# Altium PCB PCB.PcbDoc (part 6 of 10)
Units mm, origin at the board's own origin, x right, y up, seen from the top; angles counter-clockwise.
Board outline 25 x 25 mm, 10 copper layers (Top Layer, bu3, bu2, bu1, Core1, Core1b, bu1b, bu2b, bu3b, Bottom Layer), stack 1.2 mm thick; 43 components, 310 nets, 1945 pads, 12307 vias.
Unrouted connection lines stored in the file: 68.
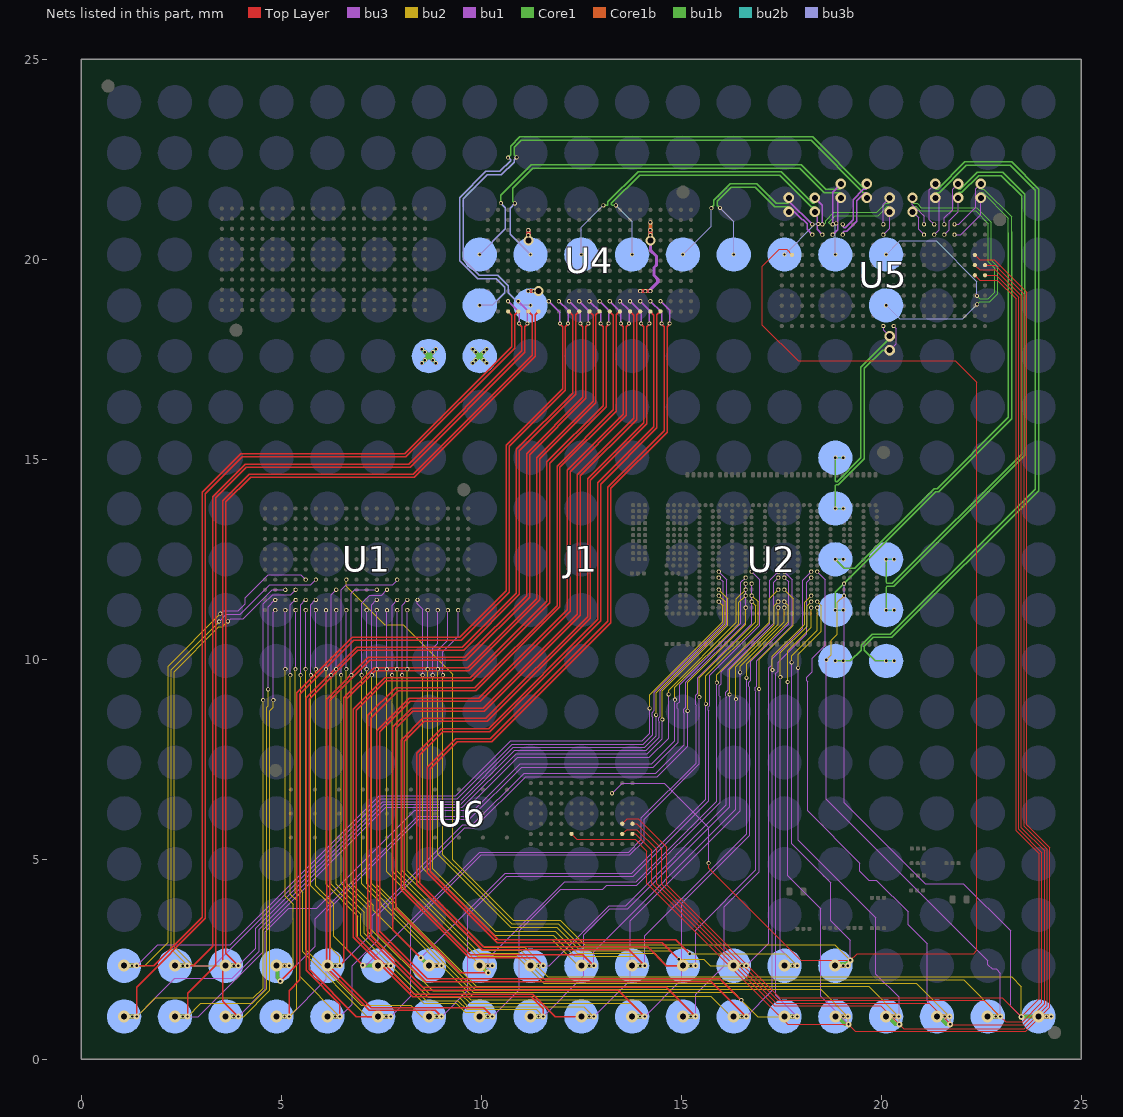
[diagram p14: the nets of this part, all layers, seen from the top]

## Via types
v1: diameter 0.1, hole 0.06, Top Layer to bu3, 2216 vias
v2: diameter 0.1, hole 0.06, bu3 to bu2, 1881 vias
v3: diameter 0.1, hole 0.06, bu3b to Bottom Layer, 1302 vias
v4: diameter 0.1, hole 0.06, bu2b to bu3b, 1272 vias
v5: diameter 0.1, hole 0.06, bu2 to bu1, 1248 vias
v6: diameter 0.15/0.1 (per signal layer), hole 0.06, Core1b to bu1b, 1224 vias
v7: diameter 0.1/0.15 (per signal layer), hole 0.06, bu1 to Core1, 1096 vias
v8: diameter 0.1, hole 0.06, bu1b to bu2b, 1021 vias
v9: diameter 0.25, hole 0.15, Core1 to Core1b, 537 vias
v10: diameter 0.3, hole 0.15, Core1 to Core1b, 253 vias
v11: diameter 0.1/0.1 (per signal layer), hole 0.06, bu1b to bu2b, 114 vias
v12: diameter 0.26, hole 0.15, Core1 to Core1b, 81 vias
v13: diameter 0.1, hole 0.06, bu1 to Core1, 52 vias
v14: diameter 0.105, hole 0.06, Top Layer to bu3, 6 vias
v15: diameter 0.1, hole 0.06, Core1b to bu1b, 4 vias

## Nets (pads, with @x,y where several pads share a name; then routed paths per layer and width w, separated by ;. In a path a pad name is that pad's centre, name@x,y a point inside that pad or via, vN(x,y) a via of type N, cw(c..) or ccw(c..) an arc to the next point about the centre after c; other vN are vias at no path point) (continued)
sig_V5: J1.V5 U1.I8 U2.46 U5.B4 U6.B3 | length 64.9
  Top Layer w0.03: v1@15.684,4.902 15.684,4.774 17.986,2.472 19.226,2.472 19.395,2.641 22.305,2.641 22.388,2.724 22.388,16.925 21.853,17.46 17.917,17.46 17.027,18.35 17.027,19.821 17.452,20.246 17.63,20.246 U5.B4@17.766,20.11
  bu3 w0.03: v1(13.268,6.651) 13.52,6.901 14.569,6.901 15.684,5.786 v1@15.684,4.902
  Core1 w0.1: v10@18.85,2.34 18.888,2.378 19.119,2.378 19.212,2.472 v7@19.226,2.472
  Core1b w0.1: v10@18.85,2.34 v6@19.164,2.34
  bu3b w0.1: v3@18.85,2.34 v4@19.05,2.34
  bu2 w0.03: v1(6.626,11.992) 6.628,11.827 7.592,10.863 8.05,10.863 9.286,9.627 9.286,4.99 10.8,3.476 11.974,3.476 12.589,2.861 18.837,2.861 v2@19.226,2.472 ; v5@17.759,9.922 17.759,10.085 18.397,10.723 v2@18.397,11.294
  bu2b w0.1: v8@18.85,2.34 v4@19.05,2.34
  bu1 w0.03: v5@17.759,9.922 17.759,5.394 18.739,4.414 18.739,3.463 19.226,2.976 v7@19.226,2.472
  bu1b w0.1: v8@18.85,2.34 v6@19.164,2.34
  other v1: 19.224,2.472 15.682,4.902 18.395,11.294
  other v2: 19.224,2.472 18.395,11.294 6.626,11.992
  other v3: 18.848,2.34
  other v4: 19.048,2.34
  other v5: 19.224,2.472 17.757,9.922
  other v6: 19.162,2.341
  other v7: 19.224,2.472
  other v8: 18.848,2.34
  other v10: 18.848,2.34
sig_V6: J1.V6 U1.T11 U2.60 U4.R10 | length 51.9
  Top Layer w0.035: v1(14.708,18.395) 14.708,18.378 14.644,18.314 14.644,15.679 13.237,14.272 13.237,10.918 10.259,7.94 9.396,7.94 8.725,7.269 8.725,4.69 10.424,2.991 14.859,2.991 v2(15.21,2.64)
  bu3 w0.03: v2(9.039,9.606) 9.039,10.193 9.42,10.574 v1(9.42,11.23)
  bu3 w0.035: v1(14.48,18.952) 14.708,18.724 v1(14.708,18.395)
  Core1 w0.1: v3(17.58,2.34) v7(17.895,2.341)
  Core1b w0.1: v3(17.58,2.34) v7(17.895,2.341)
  bu3b w0.1: v3(17.58,2.34) v4(17.78,2.34)
  bu2 w0.03: v2(9.039,9.606) 9.039,5.116 9.608,4.547 10.766,3.389 11.924,3.389 12.522,2.791 15.059,2.791 v2(15.21,2.64) 17.595,2.64 v7(17.895,2.341) ; v5(17.478,9.554) 17.477,9.555 17.477,10.161 18.144,10.828 18.144,11.341 v1(18.247,11.444)
  bu2b w0.1: v3(17.58,2.34) v4(17.78,2.34)
  bu1 w0.03: v5(17.478,9.554) 17.478,2.757 v7(17.895,2.341)
  bu1b w0.1: v3(17.58,2.34) v7(17.895,2.341)
  other v1: 15.21,2.64
  other v2: 18.247,11.444
  other v5: 17.895,2.341
  other v6: 17.895,2.341
  other v8: 17.58,2.34
  other v10: 17.58,2.34
sig_V7: J1.V7 U1.S11 U2.65 U4.Q10 | length 51.5
  Top Layer w0.035: v1(14.506,18.395) 14.506,18.378 14.57,18.314 14.57,15.71 13.163,14.303 13.163,10.948 10.229,8.014 9.366,8.014 8.651,7.299 8.651,4.659 10.393,2.917 14.523,2.917 v1(14.936,2.504)
  bu3 w0.03: v2(8.912,9.756) 8.912,10.228 9.166,10.482 v1(9.166,11.23)
  bu3 w0.035: v1(14.226,18.952) 14.506,18.672 v1(14.506,18.395)
  Core1 w0.1: v8(16.31,2.34) v7(16.625,2.341)
  Core1b w0.1: v8(16.31,2.34) v7(16.625,2.341)
  bu3b w0.1: v8(16.31,2.34) v4(16.51,2.34)
  bu2 w0.03: v2(8.912,9.756) 8.912,5.129 10.737,3.304 11.886,3.304 12.47,2.72 14.72,2.72 v1(14.936,2.504) 15.562,2.504 15.725,2.341 v7(16.625,2.341)
  bu2b w0.1: v8(16.31,2.34) v4(16.51,2.34)
  bu1 w0.03: v7(16.625,2.341) 17.186,2.902 17.186,9.785 17.257,9.856 17.257,10.005 18.031,10.779 18.031,11.978 v1(18.247,12.194)
  bu1b w0.1: v8(16.31,2.34) v7(16.625,2.341)
  other v2: 14.936,2.504 18.247,12.194
  other v3: 16.31,2.34
  other v5: 16.625,2.341 18.247,12.194
  other v6: 16.625,2.341
  other v10: 16.31,2.34
sig_V8: J1.V8 U1.R11 U2.81 U4.R11 | length 51.6
  Top Layer w0.035: U4.R11@14.48,18.698 14.39,18.608 14.39,15.784 12.983,14.377 12.983,10.966 10.211,8.194 9.033,8.194 8.457,7.618 8.457,4.405 10.052,2.81 14.158,2.81 14.627,2.341 v6(15.355,2.341)
  bu3 w0.03: v2(8.785,9.606) 8.785,10.273 8.912,10.4 v1(8.912,11.23)
  Core1 w0.1: v3(15.04,2.34) v6(15.355,2.341)
  Core1b w0.1: v3(15.04,2.34) v6(15.355,2.341)
  bu3b w0.1: v3(15.04,2.34) v4(15.24,2.34)
  bu2 w0.03: v2(8.785,9.606) 8.785,4.762 10.346,3.201 11.843,3.201 12.398,2.646 14.335,2.646 14.64,2.341 v6(15.355,2.341)
  bu2b w0.1: v3(15.04,2.34) v4(15.24,2.34)
  bu1 w0.03: v6(15.355,2.341) 15.355,3.229 16.866,4.74 16.866,9.195 16.851,9.21 16.851,9.297 16.885,9.331 16.885,9.96 17.777,10.852 17.777,11.994 v5(17.577,12.194)
  bu1b w0.1: v3(15.04,2.34) v6(15.355,2.341)
  other v1: 15.355,2.341 17.577,12.194
  other v2: 15.355,2.341 17.577,12.194
  other v5: 15.355,2.341
  other v7: 15.355,2.341
  other v8: 15.04,2.34
  other v10: 15.04,2.34
sig_V9: J1.V9 U1.Q11 U2.76 U4.Q11 | length 48.9
  Top Layer w0.035: v5(14.085,2.341) 13.689,2.736 10.021,2.736 8.383,4.374 8.383,7.649 9.002,8.268 10.181,8.268 12.909,10.996 12.909,14.408 14.316,15.815 14.316,18.608 U4.Q11@14.226,18.698
  bu3 w0.03: v2(8.658,9.756) v1(8.658,11.23)
  Core1 w0.1: v8(13.77,2.34) v5(14.085,2.341)
  Core1b w0.1: v8(13.77,2.34) v5(14.085,2.341)
  bu3b w0.1: v8(13.77,2.34) v4(13.97,2.34)
  bu2 w0.03: v2(8.658,9.756) 8.658,4.776 10.33,3.104 11.803,3.104 12.335,2.572 13.853,2.572 v5(14.085,2.341) ; v5(16.63,9.538) 16.631,9.539 16.631,9.894 17.677,10.94 17.677,11.344 v1(17.577,11.444)
  bu2b w0.1: v8(13.77,2.34) v4(13.97,2.34)
  bu1 w0.03: v5(14.085,2.341) 14.085,3.089 16.63,5.634 v5(16.63,9.538)
  bu1b w0.1: v8(13.77,2.34) v5(14.085,2.341)
  other v1: 14.085,2.341
  other v2: 14.085,2.341 17.577,11.444
  other v3: 13.77,2.34
  other v6: 14.085,2.341
  other v7: 14.085,2.341
  other v10: 13.77,2.34
sig_V10: J1.V10 U1.P10 U2.88 U4.P10 | length 48
  Top Layer w0.035: v2(12.815,2.341) 12.539,2.616 9.729,2.616 8.073,4.272 8.073,7.95 8.571,8.448 10.147,8.448 12.729,11.03 12.729,14.483 14.136,15.89 14.136,18.314 14.2,18.378 v1(14.2,18.395)
  bu3 w0.03: v1(8.404,11.484) 8.404,11.387 8.534,11.257 8.534,9.609 v2(8.531,9.606)
  bu3 w0.035: v1(13.972,18.952) 14.2,18.724 v1(14.2,18.395)
  Core1 w0.1: v3(12.5,2.34) v2(12.815,2.341)
  Core1b w0.1: v3(12.5,2.34) v2(12.815,2.341)
  bu3b w0.1: v3(12.5,2.34) v4(12.7,2.34)
  bu2 w0.03: v2(8.531,9.606) 8.531,4.777 10.305,3.003 11.761,3.003 12.423,2.341 v2(12.815,2.341) ; v5(16.367,9.005) 16.367,9.812 17.427,10.872 v1(17.427,11.294)
  bu2b w0.1: v3(12.5,2.34) v4(12.7,2.34)
  bu1 w0.03: v2(12.815,2.341) 12.815,2.693 16.367,6.246 v5(16.367,9.005)
  bu1b w0.1: v3(12.5,2.34) v2(12.815,2.341)
  other v1: 12.815,2.341
  other v2: 17.427,11.294
  other v5: 12.815,2.341
  other v6: 12.815,2.341
  other v7: 12.815,2.341
  other v8: 12.5,2.34
  other v10: 12.5,2.34
sig_V11: J1.V11 U1.O11 U2.93 U4.O10 | length 47.3
  Top Layer w0.035: v7(11.545,2.341) 11.343,2.542 9.698,2.542 7.999,4.241 7.999,7.981 8.54,8.522 10.116,8.522 12.655,11.061 12.655,14.513 14.062,15.92 14.062,18.314 13.998,18.378 v1(13.998,18.395)
  bu3 w0.03: v2(8.15,9.756) v1(8.15,11.23)
  bu3 w0.035: v1(13.718,18.952) 13.998,18.672 v1(13.998,18.395)
  Core1 w0.1: v8(11.23,2.34) v7(11.545,2.341)
  Core1b w0.1: v8(11.23,2.34) v7(11.545,2.341)
  bu3b w0.1: v8(11.23,2.34) v4(11.43,2.34)
  bu2 w0.03: v2(8.15,9.756) 8.15,4.717 10.068,2.799 11.086,2.799 v7(11.545,2.341)
  bu2b w0.1: v8(11.23,2.34) v4(11.43,2.34)
  bu1 w0.03: v7(11.545,2.341) 11.699,2.341 13.202,3.844 13.613,3.844 16.128,6.359 16.128,9.056 16.11,9.074 16.11,9.178 16.172,9.24 16.172,9.757 17.312,10.897 17.312,11.929 v1(17.427,12.044)
  bu1b w0.1: v8(11.23,2.34) v7(11.545,2.341)
  other v1: 11.545,2.341
  other v2: 11.545,2.341 17.427,12.044
  other v3: 11.23,2.34
  other v5: 11.545,2.341 17.427,12.044
  other v6: 11.545,2.341
  other v10: 11.23,2.34
sig_V12: J1.V12 U1.M11 U2.91 U4.P11 | length 46.5
  Top Layer w0.035: v2(10.17,2.167) 9.478,2.167 7.864,3.781 7.864,8.279 8.287,8.702 10.075,8.702 12.475,11.102 12.475,14.588 13.882,15.995 13.882,18.608 U4.P11@13.972,18.698
  bu3 w0.03: v2(7.642,9.756) v1(7.642,11.23)
  Core1 w0.1: v8(9.96,2.34) 9.983,2.34 10.156,2.167 v2(10.17,2.167)
  Core1b w0.1: v8(9.96,2.34) v6(10.275,2.341)
  bu3b w0.1: v8(9.96,2.34) v4(10.16,2.34)
  bu2 w0.03: v2(7.642,9.756) 7.642,4.692 10.167,2.167 v2(10.17,2.167) ; v5(15.889,9.419) 15.889,9.615 17.198,10.924 17.198,11.515 v2(17.427,11.744)
  bu2b w0.1: v8(9.96,2.34) v4(10.16,2.34)
  bu1 w0.03: v2(10.17,2.167) 10.17,2.525 12.081,4.436 13.869,4.436 15.889,6.456 v5(15.889,9.419)
  bu1b w0.1: v8(9.96,2.34) v6(10.275,2.341)
  other v1: 10.17,2.167 17.427,11.744
  other v3: 9.96,2.34
  other v5: 10.17,2.167
  other v7: 10.17,2.167
  other v10: 9.96,2.34
sig_V13: J1.V13 U1.L9 U2.106 U4.O11 | length 46.3
  Top Layer w0.035: v1(8.49,2.538) 7.79,3.238 7.79,8.31 8.256,8.776 10.044,8.776 12.401,11.133 12.401,14.618 13.808,16.025 13.808,18.608 U4.O11@13.718,18.698
  bu3 w0.03: v2(6.753,9.606) 6.75,9.609 6.75,11.653 6.835,11.738 v1(7.388,11.738)
  Core1 w0.1: v1(8.49,2.538) v8(8.69,2.34)
  Core1b w0.1: v8(8.69,2.34) v6(9.005,2.341)
  bu3b w0.1: v8(8.69,2.34) v4(8.89,2.34)
  bu2 w0.03: v2(6.753,9.606) 6.751,9.604 6.751,4.408 7.303,3.856 7.303,3.725 v1(8.49,2.538) ; v5(15.613,8.887) 15.613,9.587 16.918,10.892 16.918,11.433 v2(16.757,11.594)
  bu2b w0.1: v8(8.69,2.34) v4(8.89,2.34)
  bu1 w0.03: v1(8.49,2.538) 10.602,4.65 13.762,4.65 15.613,6.501 v5(15.613,8.887)
  bu1b w0.1: v8(8.69,2.34) v6(9.005,2.341)
  other v1: 16.757,11.594
  other v2: 8.49,2.538
  other v3: 8.69,2.34
  other v5: 8.49,2.538
  other v7: 8.49,2.538
  other v10: 8.69,2.34
sig_V14: J1.V14 U1.F11 U2.108 U4.L11 | length 47.1
  Top Layer w0.035: v5(7.039,2.349) 6.641,2.747 6.641,9.011 7.348,9.718 9.691,9.718 11.459,11.486 11.459,15.009 12.866,16.416 12.866,18.608 U4.L11@12.956,18.698
  bu3 w0.03: v2(5.864,9.756) v1(5.864,11.23)
  Core1 w0.1: v5(7.039,2.349) 7.043,2.345 7.415,2.345 v8(7.42,2.34)
  Core1b w0.1: v8(7.42,2.34) v6(7.735,2.341)
  bu3b w0.1: v8(7.42,2.34) v4(7.62,2.34)
  bu2 w0.03: v2(5.864,9.756) 5.864,4.343 6.314,3.893 6.314,3.074 v5(7.039,2.349)
  bu2b w0.1: v8(7.42,2.34) v4(7.62,2.34)
  bu1 w0.03: v5(7.039,2.349) 7.124,2.349 9.956,5.181 13.68,5.181 13.999,5.5 13.999,6.034 15.373,7.408 15.373,8.841 15.356,8.858 15.356,9.1 15.406,9.15 15.406,9.537 16.757,10.888 v2(16.757,11.894)
  bu1b w0.1: v8(7.42,2.34) v6(7.735,2.341)
  other v1: 7.039,2.349 16.757,11.894
  other v2: 7.039,2.349
  other v3: 7.42,2.34
  other v5: 16.757,11.894
  other v7: 7.039,2.349
  other v10: 7.42,2.34
sig_V15: J1.V15 U1.F10 U2.121 U4.K11 | length 47.1
  Top Layer w0.035: v6(6.465,2.341) 6.567,2.443 6.567,9.042 7.317,9.792 9.66,9.792 11.385,11.517 11.385,15.039 12.792,16.446 12.792,18.608 U4.K11@12.702,18.698
  bu3 w0.03: v2(5.737,9.606) 5.737,11.37 5.851,11.484 v1(5.864,11.484)
  Core1 w0.1: v8(6.15,2.34) v6(6.465,2.341)
  Core1b w0.1: v8(6.15,2.34) v6(6.465,2.341)
  bu3b w0.1: v8(6.15,2.34) v4(6.35,2.34)
  bu2 w0.03: v2(5.737,9.606) 5.737,4.343 6.234,3.846 6.234,2.793 6.465,2.562 v6(6.465,2.341)
  bu2b w0.1: v8(6.15,2.34) v4(6.35,2.34)
  bu1 w0.03: v6(6.465,2.341) 7.273,3.149 7.273,3.591 9.541,5.859 9.779,5.859 11.071,7.151 14.363,7.151 15.077,7.865 15.077,8.648 15.062,8.663 15.062,8.75 15.11,8.798 15.11,9.423 16.607,10.92 v2(16.607,11.894)
  bu1b w0.1: v8(6.15,2.34) v6(6.465,2.341)
  other v1: 6.465,2.341 16.607,11.894
  other v2: 6.465,2.341
  other v3: 6.15,2.34
  other v5: 6.465,2.341 16.607,11.894
  other v7: 6.465,2.341
  other v10: 6.15,2.34
sig_V16: J1.V16 U1.C11 U2.119 U4.G10 | length 49.7
  Top Layer w0.035: v1(4.974,1.955) 5.058,2.039 5.384,2.365 5.384,9.16 6.778,10.554 9.467,10.554 10.623,11.71 10.623,15.355 12.03,16.762 12.03,18.314 11.966,18.378 v1(11.966,18.395)
  bu3 w0.03: v2(5.1,9.754) 5.102,9.756 v1(5.102,11.23)
  bu3 w0.035: v1(11.686,18.952) 11.966,18.672 v1(11.966,18.395)
  Core1 w0.1: v8(4.88,2.34) 4.903,2.317 4.903,2.04 4.974,1.969 v1(4.974,1.955)
  Core1b w0.1: v8(4.88,2.34) v6(5.195,2.341)
  bu3b w0.1: v8(4.88,2.34) v4(5.08,2.34)
  bu2 w0.03: v1(4.974,1.955) 5.298,2.279 5.298,3.876 5.102,4.072 5.102,9.722 5.1,9.724 v2(5.1,9.754) ; v5(14.841,8.991) v5(14.841,8.991) 14.842,9.296 16.441,10.895 16.441,11.428 v1(16.607,11.594)
  bu2b w0.1: v8(4.88,2.34) v4(5.08,2.34)
  bu1 w0.03: v1(4.974,1.955) 5.846,2.827 5.846,3.514 8.406,6.074 9.66,6.074 10.973,7.387 14.265,7.387 14.841,7.963 v5(14.841,8.991)
  bu1b w0.1: v8(4.88,2.34) v6(5.195,2.341)
  other v2: 4.974,1.955 16.607,11.594
  other v3: 4.88,2.34
  other v5: 4.974,1.955
  other v7: 4.974,1.955
  other v10: 4.88,2.34
sig_V17: J1.V17 U1.C9 U2.135 U4.F11 | length 53.2
  Top Layer w0.035: v7(3.925,2.341) 3.611,2.654 3.611,13.933 4.232,14.554 8.324,14.554 11.342,17.572 11.342,18.608 U4.F11@11.432,18.698
  bu3 w0.03: v2(3.661,10.949) 3.667,10.949 3.731,11.013 4.052,11.013 4.777,11.738 v1(5.102,11.738)
  Core1 w0.1: v3(3.61,2.34) v7(3.925,2.341)
  Core1b w0.1: v3(3.61,2.34) v7(3.925,2.341)
  bu3b w0.1: v3(3.61,2.34) v4(3.81,2.34)
  bu2 w0.03: v2(3.661,10.949) 3.522,10.81 3.441,10.81 2.318,9.687 2.318,2.82 2.798,2.341 v7(3.925,2.341) ; v5(14.369,8.611) 14.369,9.163 16.098,10.892 16.098,11.433 v2(15.937,11.594)
  bu2b w0.1: v3(3.61,2.34) v4(3.81,2.34)
  bu1 w0.03: v7(3.925,2.341) 4.365,2.781 4.365,3.279 7.531,6.445 9.446,6.445 10.802,7.801 14.087,7.801 14.369,8.083 v5(14.369,8.611)
  bu1b w0.1: v3(3.61,2.34) v7(3.925,2.341)
  other v1: 3.925,2.341 15.937,11.594
  other v2: 3.925,2.341
  other v5: 3.925,2.341
  other v6: 3.925,2.341
  other v8: 3.61,2.34
  other v10: 3.61,2.34
sig_V18: J1.V18 U1.F8 U2.138 U4.C10 | length 54.9
  Top Layer w0.035: v1@2.655,2.341 2.8,2.341 3.283,2.823 3.283,14.069 4.096,14.882 8.188,14.882 11.014,17.708 11.014,18.314 10.95,18.378 v1@10.95,18.395
  bu3 w0.03: v2@3.448,10.945 3.626,11.123 3.968,11.123 4.709,11.864 5.738,11.864 v1(5.864,11.992)
  bu3 w0.035: v1@10.67,18.952 10.95,18.672 v1@10.95,18.395
  Core1 w0.1: v10@2.34,2.34 v7@2.654,2.34
  Core1b w0.1: v10@2.34,2.34 v6@2.654,2.34
  bu3b w0.1: v3@2.34,2.34 v4@2.54,2.34
  bu2 w0.03: v5@2.655,2.341 2.244,2.751 2.244,9.741 v2@3.448,10.945
  bu2b w0.1: v8@2.34,2.34 v4@2.54,2.34
  bu1 w0.03: v7@2.655,2.341 3.312,2.341 7.487,6.516 9.402,6.516 10.768,7.882 14.053,7.882 14.288,8.117 14.288,8.547 14.27,8.565 14.27,8.669 14.329,8.728 14.329,9.176 16.044,10.891 16.044,11.937 v1(15.935,12.044)
  bu1b w0.1: v8@2.34,2.34 v6@2.654,2.34
  other v1: 2.652,2.341 10.948,18.395 10.668,18.952
  other v2: 2.652,2.341 3.445,10.945 15.935,12.044
  other v3: 2.338,2.34
  other v4: 2.538,2.34
  other v5: 2.652,2.341 15.935,12.044
  other v6: 2.652,2.341
  other v7: 2.652,2.341
  other v8: 2.338,2.34
  other v10: 2.338,2.34
sig_V19: J1.V19 U1.E8 U2.134 U4.C11 | length 56.1
  Top Layer w0.035: v1@1.385,2.341 1.816,2.341 3.029,3.554 3.029,14.174 3.991,15.136 8.083,15.136 10.76,17.813 10.76,18.608 U4.C11@10.67,18.698
  bu3 w0.03: v2@3.479,11.143 3.547,11.211 3.923,11.211 4.099,11.387 4.099,11.541 4.677,12.119 5.485,12.119 v1(5.61,11.992)
  Core1 w0.1: v10@1.07,2.34 v7@1.384,2.34
  Core1b w0.1: v10@1.07,2.34 v6@1.384,2.34
  bu3b w0.1: v3@1.07,2.34 v4@1.27,2.34
  bu2 w0.03: v5@1.385,2.341 1.581,2.341 2.171,2.93 2.171,9.831 3.479,11.139 v2@3.479,11.143 ; v5@14.209,8.776 14.21,8.777 14.21,9.113 16.037,10.94 16.037,11.344 v2(15.935,11.444)
  bu2b w0.1: v8@1.07,2.34 v4@1.27,2.34
  bu1 w0.03: v7@1.385,2.341 1.908,2.864 3.721,2.864 7.449,6.592 9.366,6.592 10.735,7.961 14.02,7.961 14.209,8.15 v5@14.209,8.776
  bu1b w0.1: v8@1.07,2.34 v6@1.384,2.34
  other v1: 1.382,2.341 15.935,11.444
  other v2: 1.382,2.341 3.477,11.143
  other v3: 1.068,2.34
  other v4: 1.268,2.34
  other v5: 1.382,2.341 14.207,8.776
  other v6: 1.382,2.341
  other v7: 1.382,2.341
  other v8: 1.068,2.34
  other v10: 1.068,2.34
sig_W1: J1.W1 U1.O10 U2.34 U5.T6 U6.E2 | length 71.2
  Top Layer w0.03: U6.E2@13.524,5.889 13.648,6.013 13.917,6.013 14.633,5.297 14.633,4.366 17.459,1.54 23.025,1.54 v2(23.503,1.062) 23.953,1.512 23.953,5.135 23.369,5.719 23.369,19.01 22.9,19.479 22.461,19.479 U5.T6@22.338,19.602
  bu3 w0.03: v2(8.023,9.606) 8.023,11.358 v1(8.15,11.484)
  Core1 w0.1: v2(23.503,1.062) 23.507,1.066 23.926,1.066 v3(23.93,1.07)
  Core1b w0.1: v3(23.93,1.07) v6(24.245,1.071)
  bu3b w0.1: v3(23.93,1.07) v4(24.13,1.07)
  bu2 w0.03: v2(8.023,9.606) 8.023,4.709 10.005,2.727 10.989,2.727 11.657,2.059 23.256,2.059 23.503,1.812 v2(23.503,1.062)
  bu2b w0.1: v3(23.93,1.07) v4(24.13,1.07)
  bu1 w0.03: v2(19.067,11.894) 19.067,6.416 21.094,4.389 22.054,4.389 23.235,3.208 23.235,1.33 v2(23.503,1.062)
  bu1b w0.1: v3(23.93,1.07) v6(24.245,1.071)
  other v1: 23.503,1.062 19.067,11.894
  other v5: 23.503,1.062 19.067,11.894
  other v7: 23.503,1.062
  other v8: 23.93,1.07
  other v10: 23.93,1.07
sig_W2: J1.W2 U1.N11 U2.32 U5.U6 U6.E1 | length 69
  Top Layer w0.03: U6.E1@13.778,5.889 13.892,5.889 14.515,5.266 14.515,4.373 17.416,1.472 22.573,1.472 v6(22.975,1.071) 23.109,0.936 23.531,0.936 24.016,1.421 24.016,5.17 23.435,5.751 23.435,19.046 22.879,19.602 U5.U6@22.592,19.602
  bu3 w0.03: v2(7.896,9.756) v1(7.896,11.23)
  Core1 w0.1: v8(22.66,1.07) v6(22.975,1.071)
  Core1b w0.1: v8(22.66,1.07) v6(22.975,1.071)
  bu3b w0.1: v8(22.66,1.07) v4(22.86,1.07)
  bu2 w0.03: v2(7.896,9.756) 7.896,4.703 9.949,2.65 10.931,2.65 11.597,1.984 22.061,1.984 v6(22.975,1.071) ; v5(18.626,9.989) 18.748,10.111 18.748,10.472 18.897,10.621 18.897,11.424 v2(19.067,11.594)
  bu2b w0.1: v8(22.66,1.07) v4(22.86,1.07)
  bu1 w0.03: v5(18.626,9.989) 18.626,6.505 22.662,2.469 22.662,2.37 22.772,2.26 22.871,2.26 22.975,2.157 v6(22.975,1.071)
  bu1b w0.1: v8(22.66,1.07) v6(22.975,1.071)
  other v1: 22.975,1.071 19.067,11.594
  other v2: 22.975,1.071
  other v3: 22.66,1.07
  other v5: 22.975,1.071
  other v7: 22.975,1.071
  other v10: 22.66,1.07
sig_W3: J1.W3 U1.N10 U2.52 U5.T5 U6.F2 | length 69.9
  Top Layer w0.03: U6.F2@13.524,5.635 13.634,5.745 13.886,5.745 14.382,5.249 14.382,4.393 17.369,1.406 21.203,1.406 21.719,0.89 v2(21.719,0.874) 21.73,0.863 23.559,0.863 24.081,1.385 24.081,5.21 23.503,5.788 23.503,19.086 22.854,19.735 22.459,19.735 U5.T5@22.338,19.856
  bu3 w0.03: v2(7.769,9.606) 7.769,11.358 v1(7.896,11.484)
  Core1 w0.1: v8(21.39,1.07) 21.441,1.07 21.628,0.884 21.709,0.884 v2(21.719,0.874)
  Core1b w0.1: v8(21.39,1.07) v6(21.705,1.071)
  bu3b w0.1: v8(21.39,1.07) v4(21.59,1.07)
  bu2 w0.03: v2(7.769,9.606) 7.769,4.706 9.898,2.577 10.885,2.577 11.559,1.903 20.872,1.903 21.719,1.056 v2(21.719,0.874)
  bu2b w0.1: v8(21.39,1.07) v4(21.59,1.07)
  bu1 w0.03: v1(18.397,12.194) 18.597,11.994 18.597,10.347 18.277,10.027 18.277,9.684 18.14,9.547 18.14,9.46 18.155,9.445 18.155,6.217 19.466,4.906 19.466,4.701 19.691,4.476 19.878,4.476 20.669,3.685 20.669,3.369 21.145,2.893 21.145,1.448 v2(21.719,0.874)
  bu1b w0.1: v8(21.39,1.07) v6(21.705,1.071)
  other v1: 21.719,0.874
  other v2: 18.397,12.194
  other v3: 21.39,1.07
  other v5: 21.719,0.874 18.397,12.194
  other v7: 21.719,0.874
  other v10: 21.39,1.07
sig_W4: J1.W4 U1.L11 U2.47 U5.U5 U6.F1 | length 67.3
  Top Layer w0.03: U6.F1@13.778,5.635 13.854,5.635 14.258,5.231 14.258,4.399 17.323,1.334 19.989,1.334 v2(20.449,0.874) 20.558,0.765 23.571,0.765 24.147,1.341 24.147,5.249 23.57,5.826 23.57,19.13 22.844,19.856 U5.U5@22.592,19.856
  bu3 w0.03: v2(7.388,9.756) v1(7.388,11.23)
  Core1 w0.1: v3(20.12,1.07) 20.171,1.07 20.358,0.884 20.439,0.884 v2(20.449,0.874)
  Core1b w0.1: v3(20.12,1.07) v6(20.435,1.071)
  bu3b w0.1: v3(20.12,1.07) v4(20.32,1.07)
  bu2 w0.03: v2(7.388,9.756) 7.388,4.369 7.879,3.879 7.879,3.818 9.873,1.823 19.682,1.823 20.449,1.056 v2(20.449,0.874) ; v5(17.919,9.788) v5(17.919,9.788) 17.92,10.131 18.497,10.708 18.497,11.344 v1(18.397,11.444)
  bu2b w0.1: v3(20.12,1.07) v4(20.32,1.07)
  bu1 w0.03: v5(17.919,9.788) 17.919,5.483 19.862,3.54 19.862,2.133 20.449,1.546 v2(20.449,0.874)
  bu1b w0.1: v3(20.12,1.07) v6(20.435,1.071)
  other v1: 20.449,0.874
  other v2: 18.397,11.444
  other v5: 20.449,0.874
  other v7: 20.449,0.874
  other v8: 20.12,1.07
  other v10: 20.12,1.07
sig_W5: J1.W5 U1.L10 U2.59 U5.T4 U6.F7 | length 67.9
  Top Layer w0.03: U6.F7@12.254,5.635 12.388,5.501 13.844,5.501 14.138,5.207 14.138,4.401 17.665,0.874 v2(19.179,0.874) 19.352,0.701 23.614,0.701 24.214,1.301 24.214,5.287 23.639,5.862 23.639,19.175 22.823,19.991 22.457,19.991 U5.T4@22.338,20.11
  bu3 w0.03: v2(7.261,9.606) 7.261,11.37 7.375,11.484 v1(7.388,11.484)
  Core1 w0.1: v8(18.85,1.07) 18.901,1.07 19.088,0.884 19.169,0.884 v2(19.179,0.874)
  Core1b w0.1: v8(18.85,1.07) v6(19.165,1.071)
  bu3b w0.1: v8(18.85,1.07) v4(19.05,1.07)
  bu2 w0.03: v2(7.261,9.606) 7.261,4.384 7.797,3.848 7.797,3.785 9.836,1.746 18.489,1.746 19.179,1.056 v2(19.179,0.874) ; v5(17.656,9.433) 17.656,10.214 18.247,10.805 v2(18.247,11.294)
  bu2b w0.1: v8(18.85,1.07) v4(19.05,1.07)
  bu1 w0.03: v5(17.656,9.433) 17.656,4.593 18.482,3.767 18.482,1.571 v2(19.179,0.874)
  bu1b w0.1: v8(18.85,1.07) v6(19.165,1.071)
  other v1: 19.179,0.874 18.247,11.294
  other v3: 18.85,1.07
  other v5: 19.179,0.874
  other v7: 19.179,0.874
  other v10: 18.85,1.07
sig_W6: J1.W6 U1.K11 U2.64 U4.N10 | length 61.1
  Top Layer w0.035: v1(13.692,18.395) 13.692,18.378 13.628,18.314 13.628,16.1 12.221,14.693 12.221,11.207 9.97,8.956 8.229,8.956 7.457,8.184 7.457,3.201 8.643,2.015 15.966,2.015 v1(16.502,1.479)
  bu3 w0.03: v2(7.134,9.756) v1(7.134,11.23)
  bu3 w0.035: v1(13.464,18.952) 13.692,18.724 v1(13.692,18.395)
  Core1 w0.1: v3(17.58,1.07) v7(17.895,1.071)
  Core1b w0.1: v3(17.58,1.07) v7(17.895,1.071)
  bu3b w0.1: v3(17.58,1.07) v4(17.78,1.07)
  bu2 w0.03: v2(7.134,9.756) 7.134,4.389 7.67,3.853 7.67,3.799 9.798,1.671 16.31,1.671 v1(16.502,1.479) 16.91,1.071 v7(17.895,1.071)
  bu2b w0.1: v3(17.58,1.07) v4(17.78,1.07)
  bu1 w0.03: v7(17.895,1.071) 17.365,1.6 17.365,9.651 17.422,9.708 17.422,9.928 18.132,10.638 18.132,11.929 v1(18.247,12.044)
  bu1b w0.1: v3(17.58,1.07) v7(17.895,1.071)
  other v2: 16.502,1.479 18.247,12.044
  other v5: 17.895,1.071 18.247,12.044
  other v6: 17.895,1.071
  other v8: 17.58,1.07
  other v10: 17.58,1.07
sig_W7: J1.W7 U1.M9 U2.61 U4.M10 | length 60.9
  Top Layer w0.035: v1(13.49,18.395) 13.49,18.378 13.554,18.314 13.554,16.131 12.147,14.724 12.147,11.238 9.939,9.03 8.198,9.03 7.383,8.215 7.383,3.17 8.612,1.941 15.754,1.941 v6(16.625,1.071)
  bu3 w0.03: v2(7.007,9.606) 7.007,11.396 7.216,11.605 7.508,11.605 v1(7.642,11.738)